# Altium PCB EVB-NORA-B20.PcbDoc (part 3 of 6) (continued)
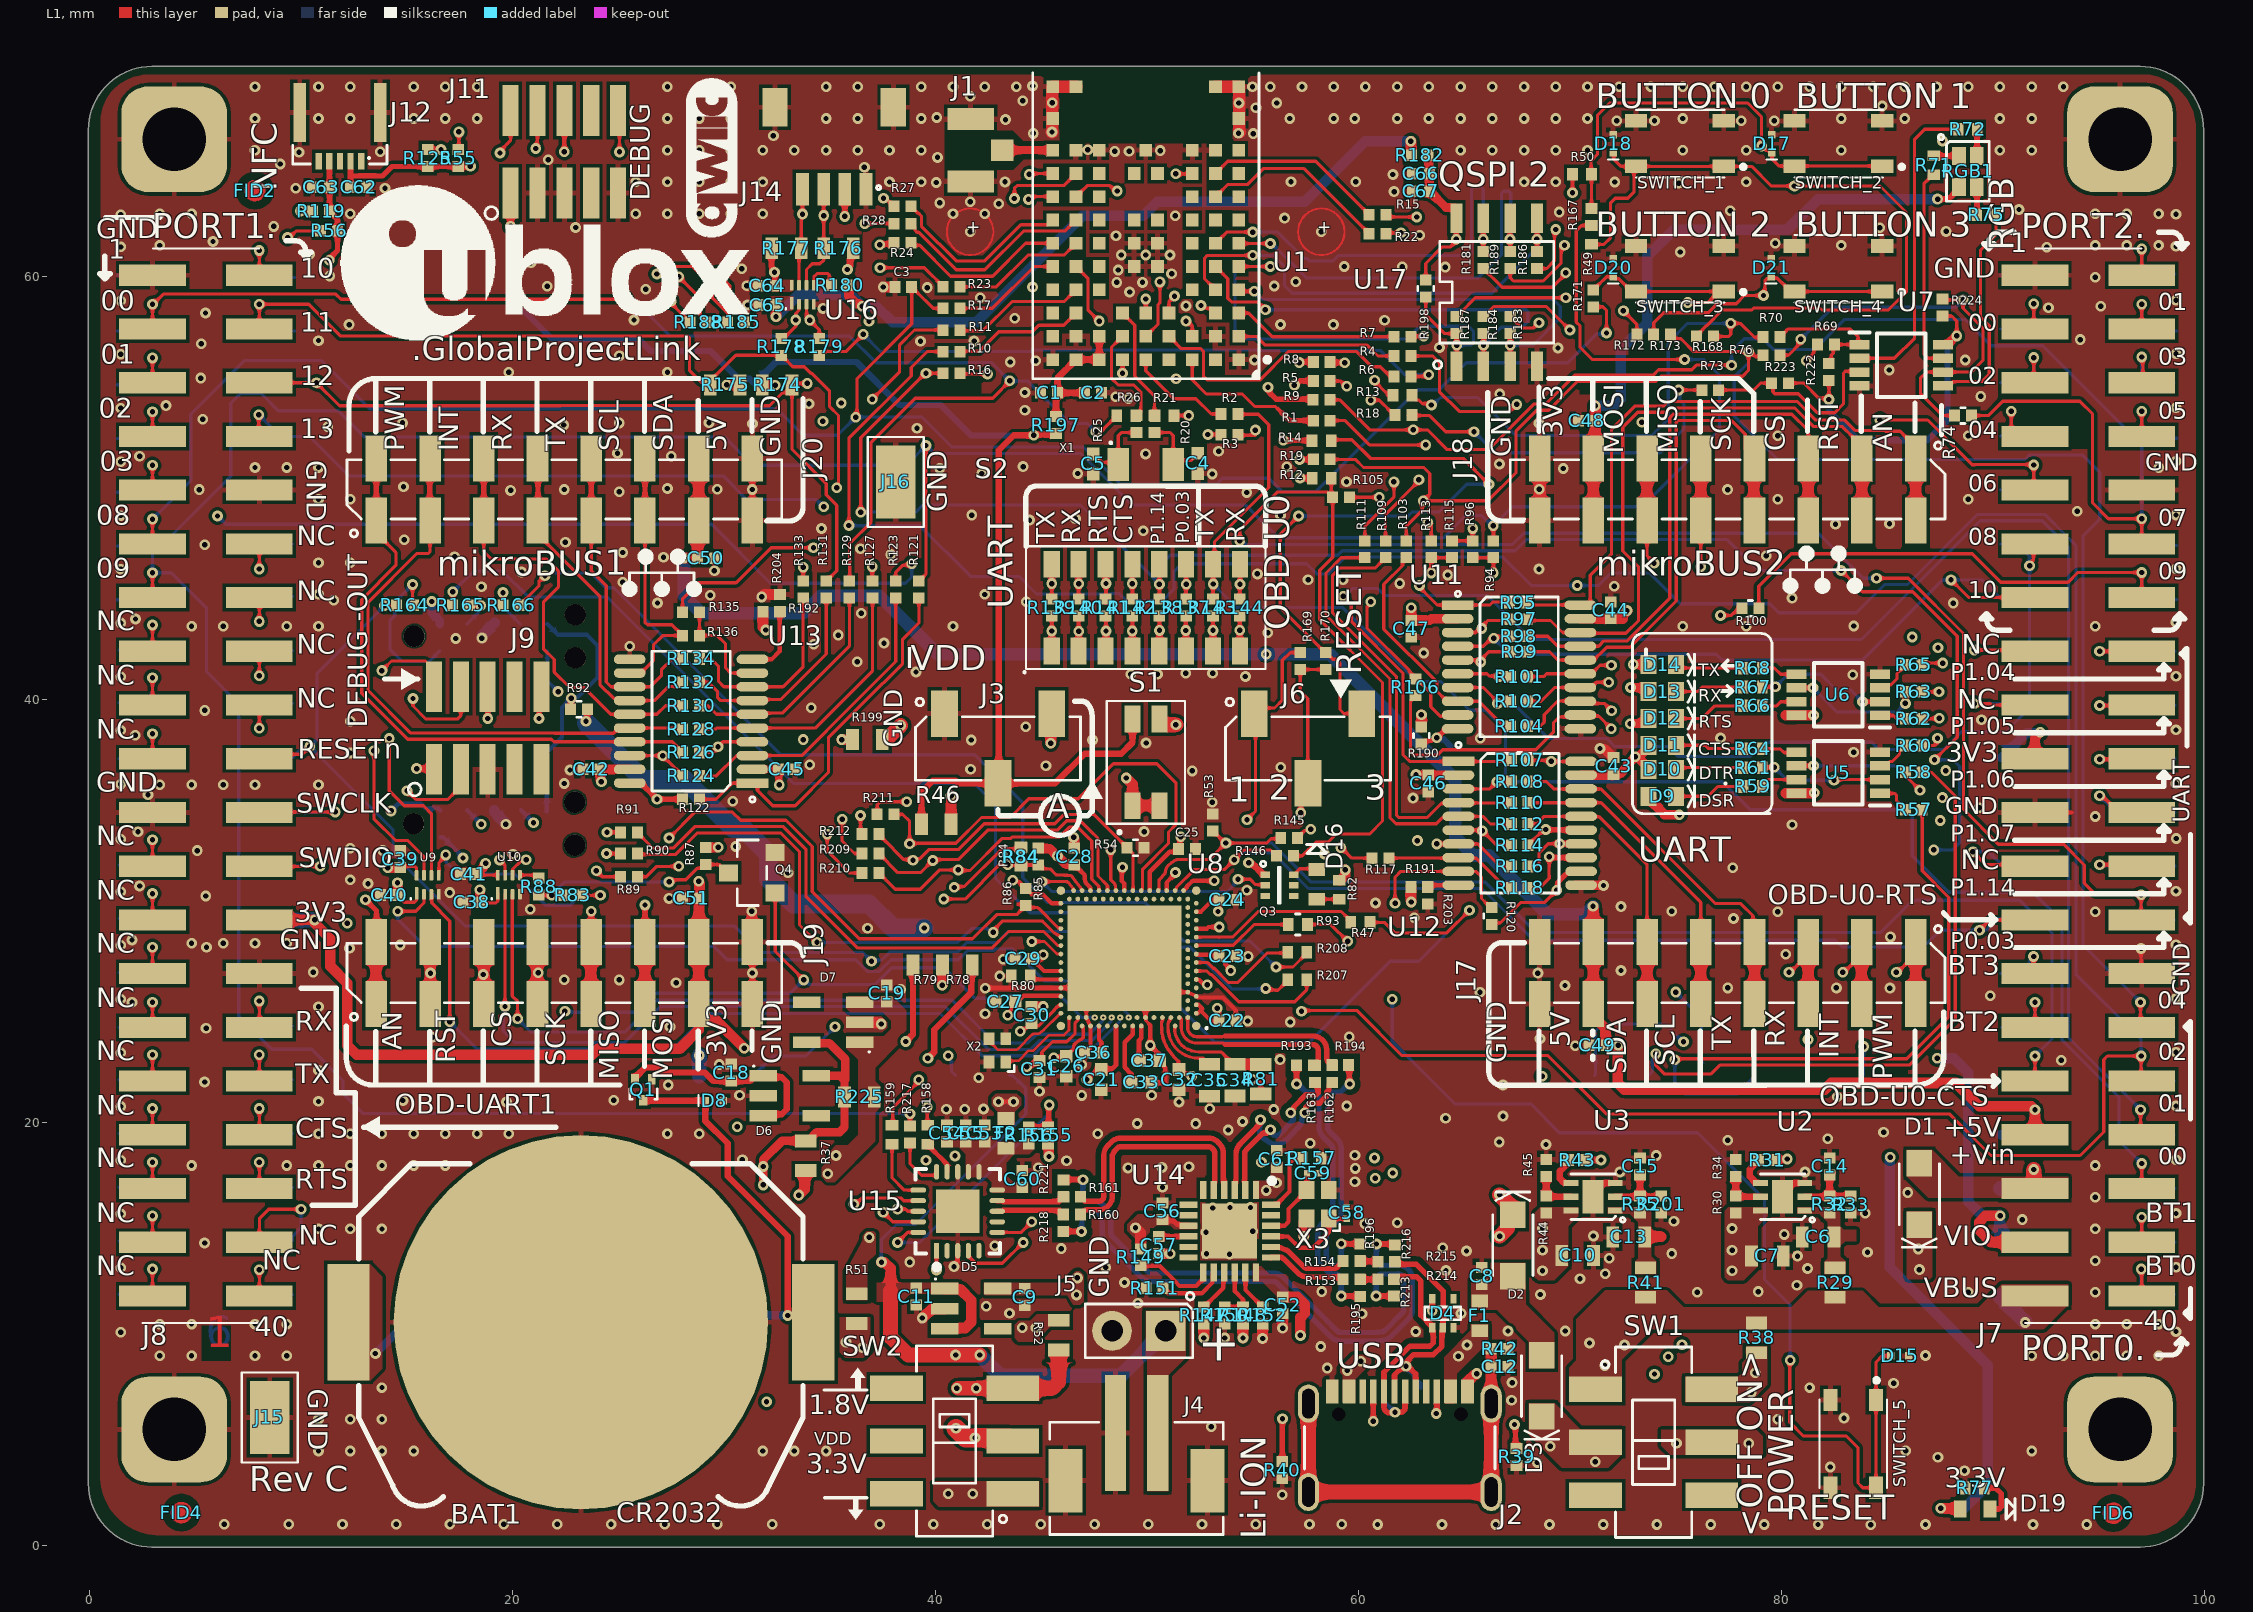
[diagram p0: L1 view]
## Nets (pads, with @x,y where several pads share a name; then routed paths per layer and width w, separated by ;. In a path a pad name is that pad's centre, name@x,y a point inside that pad or via, vN(x,y) a via of type N, cw(c..) or ccw(c..) an arc to the next point about the centre after c; other vN are vias at no path point) (continued)
  L1 w0.2: C36.2@47.098,23.307 47.298,23.506 47.298,23.628 47.323,23.654 U8.A25@47.323,24.576 ; 50.085,24.67 50.15,24.605 v1(50.15,23.658) 50.586,23.222 C37.2@50.586,22.928 ; C33.2@50.121,21.884 50.875,21.884 ; C37.2@50.524,22.866 C37.2@50.664,22.725 ; C37.2@50.689,22.75 50.704,22.75 50.854,22.6 50.854,21.905 50.875,21.884 ; 50.895,21.884 50.875,21.884
  L1 w0.225: v1(42.343,26.362) 42.357,26.376 47.123,26.376 U8.104@47.523,26.376 ; U8.B12@49.923,24.976 U8.104@49.923,26.376
  L1 w0.25: J19.8@31.336,25.616 v1(31.336,27.081) J19.8@31.336,28.546 ; J20.8@31.336,48.476 J20.8@31.336,51.406 ; v1(40.865,13.2) 40.865,13.283 41.038,13.456 41.038,13.942 U15.3@41.046,13.951
  L1 w0.3: v1@49.114,54.24 v1(49.12,54.246) ; v1(54.796,32.288) 54.835,32.248 54.974,32.248 55.5,31.722 Q3.1@55.575,31.722 ; U3.7@71.001,17.151 U3.3@72.136,17.151 ; U2.7@79.961,17.151 U2.3@81.096,17.151
  L1 w0.45: v1(31.309,30.002) 31.315,29.996 J19.8@31.315,28.466 ; C30.2@44.534,25.495 v1(45.087,25.495) ; v1(46.522,33.498) 46.555,33.465 C28.2@46.555,32.98 ; C47.2@62.481,42.966 C47.2@62.488,42.958 ; v1(62.573,35.349) v1@62.573,35.365 ; U12.11@70.249,31.221 71.573,31.221 v1(71.576,31.218) ; v1(71.413,37.694) 71.424,37.683 71.616,37.683 72.036,37.263 C43.2@72.051,37.263
  L1 w0.5: v1(31.078,59.572) C64.2@31.629,59.572 ; v1(31.104,58.663) C65.2@31.655,58.663 ; v1@31.781,44.861 31.91,44.99 R204.2@32.626,44.99 ; D7.2@36.41,24.751 36.435,24.726 37.372,24.726 37.428,24.67 v1(37.43,24.67) ; v1@37.518,59.513 37.519,59.514 C3.1@38.069,59.514 ; v1(39.37,10.77) 39.372,10.77 39.79,11.187 40.411,11.187 D5.2@40.436,11.212 ; C57.2@50.551,13.816 v1@50.992,13.816 ; v1(55.458,9.797) R152.1@55.458,10.463 ; v1(56.403,10.29) C52.2@56.403,10.956 ; v1(57.41,14.62) 57.411,15.296 X3.4@57.536,15.471 ; J2.B1A12@65.146,7.296 65.196,7.346 65.196,7.802 65.489,8.094 65.532,8.094 65.578,8.14 v1(65.58,8.14) ; J18.8@68.565,48.429 J18.8@68.565,51.18 ; C44.2@71.887,44.629 C44.2@71.945,44.629
  L1 w0.6: v1(45.504,66.84) 45.52,66.856 45.52,68.965 U1.M9@45.536,68.981 U1.M8@46.636,68.981 ; U1.M2@53.236,68.981 U1.M1@54.336,68.981 54.352,68.965 54.352,66.856 v1@54.368,66.84
  L6 w0.15: TP108.1@1.321,60.071 TP108.1@1.325,60.067 ; TP114.1@9.546,27.051 TP114.1@9.55,27.047 ; TP96.1@9.571,49.911 TP96.1@9.575,49.907 ; TP48.1@90.339,60.064 TP48.1@90.346,60.071 ; v1(96.994,28.239) 96.994,27.553 97.494,27.053 TP74.1@98.568,27.053 ; TP56.1@98.545,49.91 TP56.1@98.546,49.911 ; TP74.1@98.567,27.055 TP74.1@98.571,27.051
  L6 w0.5: v1(18.548,42.916) 18.549,42.918 18.549,43.032 J13.3@19.154,43.637 ; J10.3@19.129,34.773 19.129,34.692 19.68,34.141 19.68,34.114 v1(19.681,34.112)
  other v1: 88.643,3.548 82.293,3.726 87.388,4.186 85.864,4.496 53.036,5.625 82.946,6.037 67.231,6.875 85.291,7.689 67.256,7.713 58.518,8.399 86.802,8.994 58.205,9.418 53.667,9.822 62.696,10.129 67.062,10.152 69.771,10.152 60.155,10.971 43.49,10.99 64.843,10.987 42.388,11.328 49.563,11.46 68.593,11.883 76.013,11.981 58.258,12.018 78.893,12.017 80.72,12.323 48.928,12.446 70.463,12.624 71.66,12.857 64.13,13.015 81.226,13.111 48.045,13.158 38.771,13.412 71.849,13.594 80.749,13.695 51.085,13.801 74.804,13.813 84.061,13.878 65.097,13.934 45.94,14.05 63.976,14.094 42.793,14.183 5.437,14.317 71.1,14.646 80.123,14.722 60.286,15.232 61.83,15.277 74.905,15.342 91.381,15.422 83.947,15.723 85.959,16.698 50.724,16.949 59.823,17.209 72.351,17.669 81.105,17.669 59.844,17.842 44.853,17.873 49.098,17.864 50.698,17.882 51.975,17.919 55.403,18.133 46.191,18.209 39.545,18.229 30.863,18.247 40.916,18.432 59.823,18.463 74.075,18.451 68.859,18.974 57.708,19.027 66.646,19.093 77.454,19.173 82.18,19.24 47.67,19.484 84.819,19.552 53.833,19.656 49.53,19.964 52.292,19.961 54.508,20.061 64.111,20.21 66.827,20.314 55.982,20.625 40.51,20.644 41.373,20.644 42.266,20.65 52.957,20.662 59.435,20.792 19.708,20.983 51.507,20.983 14.813,21.054 24.787,21.067 82.623,21.226 30.732,21.304 46.907,21.294 50.211,21.304 44.909,21.492 27.357,21.785 66.827,21.787 5.437,21.927 42.034,22.124 29.774,22.75 46.911,22.741 93.216,22.952 56.286,22.987 70.246,23.643 68.577,23.969 16.213,24.042 59.553,24.058 5.507,24.469 27.442,24.543 56.762,24.766 54.759,24.813 42.338,25.152 2.001,25.697 89.865,26.002 65.735,26.17 38.355,26.301 85.118,26.367 77.446,26.376 82.588,26.376 69.753,26.489 27.729,26.62 22.446,26.766 25.042,26.754 43.037,26.934 68.474,27.076 10.577,27.123 72.405,27.199 43.191,27.732 54.772,27.866 80.188,27.965 12.286,28.254 5.529,28.292 14.685,28.404 2.001,28.641 85.142,28.787 36.783,29.202 77.721,29.656 62.629,29.69 74.804,30.005 20.828,30.099 72.405,30.22 60.794,30.389 27.397,30.607 5.497,30.72 17.03,30.882 54.716,30.992 2.362,31.191 13.165,31.307 33.015,31.818 77.69,32.059 20.015,32.69 5.092,32.866 13.864,32.868 30.548,33.059 2.286,33.757 49.856,33.765 80.493,34.093 89.343,34.896 53.079,35.155 30.404,35.205 2.761,35.509 22.439,36.042 52.133,36.634 87.761,36.649 22.71,36.676 41.652,36.715 56.312,36.809 45.214,36.882 34.046,36.924 83.402,37.512 49.951,37.956 41.685,38.098 47.421,38.098 65.745,38.173 77.112,38.188 2.156,38.316 44.262,38.725 89.448,39.051 5.447,39.495 34.119,39.624 54.645,41.099 83.356,41.183 49.228,41.206 50.491,41.206 51.826,41.251 53.096,41.251 39.069,41.313 36.288,41.794 63.077,42.21 25.536,42.532 34.242,42.62 37.558,42.678 17.312,42.896 35.401,43.058 55.703,43.165 83.414,43.485 2.171,43.819 36.484,44.095 26.849,44.575 88.111,44.569 44.279,44.634 11.542,44.709 80.493,44.806 31.779,44.861 29.338,44.944 18.524,45.34 72.085,45.37 61.947,45.5 25.204,45.549 57.61,45.676 59.257,45.676 64.214,45.895 55.214,45.949 20.425,46.034 29.54,46.101 68.529,46.177 27.132,46.734 17.256,46.757 79.268,46.803 37.872,46.863 25.204,46.961 36.449,47.141 5.447,47.327 22.496,47.446 14.87,47.559 34.601,48.098 82.546,48.292 85.098,48.315 44.436,48.493 46.611,48.561 56.303,48.718 41.705,48.73 93.97,48.915 54.706,49.799 25.047,49.834 19.904,49.898 5.187,49.935 77.443,49.936 22.446,49.941 29.669,49.948 31.332,49.94 68.536,49.95 27.317,49.986 14.841,50.071 59.424,50.306 53.083,50.675 42.177,50.697 46.715,50.698 40.197,50.932 69.678,50.933 44.136,51.023 56.597,51.015 66.655,51.147 2.362,51.511 27.495,51.509 49.926,51.622 24.959,51.658 53.379,51.752 39.12,52.835 11.263,52.908 22.414,52.988 31.34,53.052 68.531,53.07 14.793,53.089 25.042,53.089 29.284,53.097 73.391,53.114 5.347,53.264 44.221,53.69 3.609,53.907 34.015,54 48.52,54.328 89.41,54.341 66.668,54.454 44.221,54.528 51.368,55.176 5.257,55.207 85.09,55.588 43.529,55.968 44.729,56.027 55.074,56.063 88.683,56.062 25.05,56.265 69.425,56.632 63.819,56.657 5.284,56.833 39.284,56.946 41.819,56.961 94.117,57.027 12.269,57.736 58.807,57.736 56.303,57.743 25.736,57.957 61.226,57.94 43.746,58.031 5.479,58.288 34.68,58.502 92.617,58.539 51.835,58.621 95.081,58.607 42.113,59.003 49.171,59.275 26.297,59.404 39.599,59.487 37.518,59.514 44.583,59.509 21.642,59.546 56.009,59.564 48.562,59.733 49.781,59.733 57.023,59.766 11.353,60.035 51.157,60.136 12.421,60.274 48.628,60.319 30.836,60.376 64.09,60.454 62.066,60.475 59.314,60.481 15.002,60.648 25.277,60.645 20.871,60.662 48.772,61.028 49.931,61.028 51.082,61.028 10.414,61.059 75.207,61.17 92.537,61.395 79.702,61.577 5.836,61.663 48.527,61.935 62.883,61.966 41.633,62.126 58.233,62.126 87.774,62.143 22.976,62.325 84.637,62.311 8.703,62.378 56.5,62.772 51.333,62.886 69.481,63.056 77.565,63.115 91.224,63.177 42.984,63.449 40.199,63.49 41.633,63.539 61.676,64.026 9.75,64.178 13.967,64.178 75.128,64.415 40.027,64.457 43.278,64.482 56.803,64.486 59.865,64.486 72.105,64.477 61.62,64.834 36.633,65.176 9.016,65.329 21.686,65.532 40.086,65.642 9.903,65.879 13.738,65.905 48.469,65.926 49.146,65.93 50.62,65.964 47.2,66 87.605,66.421 32.331,66.667 44.619,66.776 55.013,66.768 54.318,66.789 72.203,67.369 79.655,67.369 43.304,67.429 56.74,67.48 59.814,67.48 40.053,67.53 55.143,67.99 84.752,68.075 54.34,68.216 56.131,68.216 45.515,68.228 44.117,68.318 41.633,68.529 54.983,68.976 44.583,69.02
  other v2: 29.679,1.012 60.894,1.007 63.942,1.007 66.482,1.007 69.022,1.007 71.562,1.007 74.102,1.007 76.642,1.007 79.182,1.007 81.722,1.007 84.206,1 86.802,1.007 91.882,1.007 94.422,1.007 6.367,1.019 9.415,1.019 11.955,1.019 14.495,1.019 17.035,1.019 19.575,1.019 22.115,1.019 24.655,1.019 27.195,1.019 32.275,1.019 37.355,1.019 39.895,1.019 42.435,1.019 44.975,1.019 47.515,1.019 50.055,1.019 52.595,1.019 55.135,1.019 57.675,1.019 59.199,1.019 56.389,2.41 68.443,3.936 10.82,4.481 12.32,4.481 13.82,4.481 15.32,4.481 31.82,4.481 33.32,4.481 34.82,4.481 91.82,4.481 10.82,5.981 12.32,5.981 13.82,5.981 79.82,5.981 13.82,7.481 81.32,7.481 3.32,8.981 4.82,8.981 7.82,8.981 9.32,8.981 91.82,8.981 93.32,8.981 94.82,8.981 96.32,8.981 97.82,8.981 1.47,10.101 98.645,10.126 3.32,10.481 4.82,10.481 7.82,10.481 9.32,10.481 94.82,10.481 96.32,10.481 97.82,10.481 88.82,11.981 94.82,11.981 1.47,13.149 98.645,13.174 94.82,13.481 53.896,13.784 52.803,13.809 52.778,14.825 54.988,14.876 10.82,14.981 12.32,14.981 13.82,14.981 94.82,14.981 1.47,15.689 98.645,15.714 53.108,15.968 53.921,15.994 54.886,15.994 94.82,16.481 4.82,17.981 9.32,17.981 10.82,17.981 12.32,17.981 13.82,17.981 15.32,17.981 16.82,17.981 94.82,17.981 1.47,18.229 98.645,18.254 10.82,19.481 12.32,19.481 13.82,19.481 15.32,19.481 16.82,19.481 18.32,19.481 19.82,19.481 27.32,19.481 28.82,19.481 1.47,20.769 98.645,20.794 10.82,21.008 10.82,22.481 1.47,23.309 98.645,23.334 10.82,25.481 1.47,25.849 98.645,25.874 1.47,28.389 98.645,28.414 4.82,28.481 6.32,28.481 7.82,28.481 9.32,28.481 79.82,29.981 94.82,29.981 1.47,30.929 98.645,30.954 12.32,31.481 12.32,32.981 1.477,33.413 98.652,33.438 94.82,34.481 3.32,35.981 4.82,35.981 6.32,35.981 7.82,35.981 10.82,35.981 1.47,36.009 98.645,36.034 12.32,37.481 1.47,38.549 98.645,38.574 12.32,38.981 1.47,41.089 98.645,41.114 4.82,43.481 6.32,43.481 9.32,43.481 10.82,43.481 40.82,43.481 75.32,43.481 78.32,43.481 94.82,43.481 1.47,43.629 98.645,43.654 10.82,44.981 42.32,44.981 1.47,46.169 98.645,46.194 10.82,46.481 12.32,46.481 49.82,47.981 1.47,48.709 98.645,48.734 10.82,49.481 12.32,49.481 79.82,49.481 88.82,49.481 7.82,50.981 9.32,50.981 10.82,50.981 97.82,50.981 1.47,51.249 98.645,51.274 79.82,52.481 88.82,52.481 1.47,53.789 98.645,53.814 19.82,55.481 27.32,55.481 1.47,56.329 98.645,56.354 10.82,56.981 1.47,58.869 98.645,58.894 94.82,59.981 1.47,61.409 98.645,61.434 3.32,61.481 82.82,61.481 94.82,61.481 96.32,61.481 97.82,61.481 1.47,62.933 98.645,62.958 3.32,62.981 4.82,62.981 12.32,62.981 13.82,62.981 15.32,62.981 25.82,62.981 27.32,62.981 28.82,62.981 30.32,62.981 31.82,62.981 40.82,62.981 42.32,62.981 94.82,62.981 96.32,62.981 97.82,62.981 25.82,64.481 27.32,64.481 28.82,64.481 30.32,64.481 31.82,64.481 37.82,64.481 39.32,64.481 67.82,64.481 69.32,64.481 78.32,64.481 7.82,65.981 27.32,65.981 28.82,65.981 30.32,65.981 31.82,65.981 33.32,65.981 34.82,65.981 36.32,65.981 37.82,65.981 39.32,65.981 64.82,65.981 66.32,65.981 67.82,65.981 69.32,65.981 70.82,65.981 75.32,65.981 78.32,65.981 82.82,65.981 90.32,65.981 91.82,65.981 73.986,67.369 78.088,67.369 7.82,67.481 10.82,67.481 12.32,67.481 15.32,67.481 16.82,67.481 18.32,67.481 27.32,67.481 28.82,67.481 30.32,67.481 34.82,67.481 36.32,67.481 39.32,67.481 58.82,67.481 61.82,67.481 63.32,67.481 64.82,67.481 66.32,67.481 67.82,67.481 69.32,67.481 70.82,67.481 75.32,67.481 82.82,67.481 85.82,67.481 90.32,67.481 91.82,67.481 7.82,68.981 10.82,68.981 12.32,68.981 15.32,68.981 16.82,68.981 18.32,68.981 27.32,68.981 28.82,68.981 30.32,68.981 34.82,68.981 36.32,68.981 39.32,68.981 40.82,68.981 42.32,68.981 43.82,68.981 55.82,68.981 57.32,68.981 58.82,68.981 60.32,68.981 61.82,68.981 63.32,68.981 64.82,68.981 66.32,68.981 67.82,68.981 69.32,68.981 70.82,68.981 72.32,68.981 73.82,68.981 75.32,68.981 76.82,68.981 78.32,68.981 79.82,68.981 81.32,68.981 82.82,68.981 84.32,68.981 85.82,68.981 87.32,68.981 88.82,68.981 90.32,68.981 91.82,68.981 93.32,68.981
GREEN: R72.1 U7.2 | length 14.7
  L1 w0.15: U7.2@83.679,56.142 85.327,56.142 86.284,57.099 86.284,66.497 86.759,66.972 R72.1@88.348,66.972
H2: R22.1 U1.H2 | length 9.1
  L1 w0.15: U1.H2@53.236,63.781 53.815,64.36 53.939,64.36 53.943,64.356 54.729,64.356 55.483,65.11 57.42,65.11 58.816,63.713 R22.1@60.494,62.036
H8: R19.1 U1.H8 | length 21.9
  L1 w0.15: U1.H8@46.636,63.781 47.161,64.306 48.235,64.306 48.49,64.051 v1(48.587,64.051)
  L1 w0.25: v1(57.206,51.362) 57.825,51.362 R19.1@57.859,51.396
  L4 w0.15: v1(48.587,64.051) 51.442,64.051 53.926,61.567 53.926,54.351 54.226,54.051 54.226,52.644 55.367,51.503 57.065,51.503 v1(57.206,51.362)
H9: R18.1 U1.H9 | length 24.1
  L1 w0.15: v1(44.39,63.657) 44.531,63.798 U1.H9@45.305,63.798 ; v1(60.573,54.166) 60.978,54.166 61.482,53.662 61.533,53.662 61.718,53.477 R18.1@61.718,53.426 ; U1.H9@45.305,63.798 45.305,63.781 U1.H9@45.536,63.781 45.466,63.851 45.305,63.851 U1.H9@45.305,63.798
  L3 w0.15: v1(44.39,63.657) 44.39,63.195 45.138,62.447 50.546,62.447 56.177,56.815 57.565,56.815 58.478,55.902 58.478,54.67 58.982,54.166 v1(60.573,54.166)
HUB_n: R153.1 U14.19 | length 3.8
  L1 w0.255: U14.19@55.846,13.626 55.868,13.649 56.27,13.649 cw(c56.27,13.394) 56.449,13.575 57.126,12.898 ccw(c57.591,13.366) 57.591,12.706 59.134,12.706 R153.1@59.267,12.597
HUB_p: R154.1 U14.20 | length 3.9
  L1 w0.255: U14.20@55.846,14.126 55.868,14.104 56.22,14.104 cw(c56.22,13.849) 56.313,14.086 56.512,14.008 cw(c56.27,13.394) 56.735,13.862 57.411,13.186 ccw(c57.591,13.366) 57.591,13.111 58.809,13.111 ccw(c58.807,13.366) 58.902,13.129 cw(c59.007,12.872) 58.915,13.134 ccw(c58.829,13.374) 59.008,13.193 59.267,13.452 R154.1@59.267,13.467
J2: R15.1 U1.J2 | length 8.5
  L1 w0.15: U1.J2@53.236,64.881 53.815,65.46 53.939,65.46 53.943,65.456 54.729,65.456 54.733,65.46 57.967,65.46 R15.1@60.494,62.934
J3: R14.1 U1.J3 | length 16.8
  L1 w0.15: v1@51.33,64.863 v1(51.358,64.863) 52.118,64.863 U1.J3@52.136,64.881
  L1 w0.25: v1(56.437,52.264) 56.444,52.257 57.704,52.257 R14.1@57.711,52.25
  L4 w0.15: v1(51.358,64.863) 51.395,64.827 51.395,64.522 54.226,61.691 54.226,54.475 v1(56.437,52.264)
J8: R13.1 U1.J8 | length 27.8
  L1 w0.15: v1(43.725,63.701) 43.725,64.185 43.846,64.306 46.061,64.306 U1.J8@46.636,64.881 ; v1(60.753,55.106) 60.753,55.046 R13.1@61.433,54.366
  L3 w0.15: v1(43.725,63.701) 43.725,64.185 43.87,64.33 44.678,64.33 45.559,63.449 55.311,63.449 56.021,62.739 56.021,62.253 60.753,57.521 v1(60.753,55.106)
J9: R12.1 U1.J9 | length 24.6
  L1 w0.15: v1(44.429,64.839) 44.471,64.881 U1.J9@45.536,64.881
  L1 w0.25: v1(57.229,50.484) 57.242,50.471 R12.1@57.807,50.471
  L4 w0.15: v1(44.429,64.839) 46.095,64.839 48.272,62.662 50.755,62.662 53.122,60.295 53.122,53.147 55.785,50.484 v1(57.229,50.484)
M1_AN: J18.1 R95.1 U11.20 | length 31.8
  L1 w0.15: R95.1@67.939,44.494 67.954,44.478 69.572,44.478 U11.20@70.483,44.478 ; 69.572,44.498 70.483,44.498 U11.20@70.815,44.498 ; U11.20@70.947,44.523 70.947,45.884 71.962,46.9 71.962,52.787 73.069,53.893 74.422,53.893 74.628,54.099 80.733,54.099 81.609,53.223 82.974,53.223 83.462,52.735 84.873,52.735 84.915,52.693 85.598,52.693 85.866,52.426 85.901,52.426 86.336,51.991 J18.1@86.336,51.406
  L1 w0.5: J18.1@86.336,47.686 J18.1@86.336,50.616
M1_CS: J18.3 R98.1 U11.17 | length 27.5
  L1 w0.15: R98.1@67.961,43.003 68.947,43.003 69.421,42.528 U11.17@70.483,42.528 ; U11.17@70.497,42.435 70.592,42.53 71.343,42.53 71.598,42.785 72.703,42.785 74.713,44.795 74.713,53.335 74.876,53.499 80.485,53.499 81.256,52.727 J18.3@81.256,51.406
  L1 w0.5: J18.3@81.256,47.914 J18.3@81.256,50.664
M1_INT: J17.2 R106.1 U11.12 | length 35.6
  L1 w0.15: R106.1@62.687,40.189 62.672,40.189 62.487,40.004 62.487,39.951 62.452,39.916 62.452,37.542 62.61,37.384 63.725,37.384 63.979,37.638 68.375,37.638 69.216,38.479 69.216,38.926 69.475,39.185 U11.12@70.483,39.185 ; U11.12@70.483,39.278 70.532,39.23 71.345,39.23 v1(71.945,38.63) ; v1@82.885,27.017 82.885,27.05 83.774,27.939 83.796,27.961 J17.2@83.796,28.546
  L1 w0.5: J17.2@83.774,25.507 83.774,27.939 J17.2@83.774,28.437
  L3 w0.15: v1(71.945,38.63) 72.497,38.077 74.154,38.077 83.114,29.118 83.114,27.387 82.885,27.158 v1(82.885,27.12)
M1_MISO: J18.5 R101.1 U11.15 | length 15.6
  L1 w0.15: R101.1@67.983,41.093 68.747,41.093 68.882,41.228 U11.15@70.483,41.228 ; U11.15@70.497,41.135 71.022,41.135 71.093,41.206 71.093,41.313 71.411,41.631 v1(71.951,41.631) ; v1(76.176,46.289) J18.5@76.176,48.476
  L1 w0.5: J18.5@76.176,48.476 J18.5@76.176,51.227
  L3 w0.15: v1(71.951,41.631) 71.951,42.064 v1(76.176,46.289)
M1_MOSI: J18.6 R102.1 U11.14 | length 17.6
  L1 w0.15: R102.1@67.983,39.919 68.611,39.919 69.271,40.578 70.997,40.578 71.246,40.827 v1(71.821,40.827) ; J18.6@73.633,48.764 73.633,48.476 73.633,46.801 73.963,46.471 v1(73.963,46.454)
  L1 w0.5: J18.6@73.633,48.764 J18.6@73.633,51.227
  L3 w0.15: v1(71.821,40.827) 71.344,40.827 71.145,41.025 71.145,45.532 72.067,46.454 v1(73.963,46.454)
M1_PWM: J17.1 R104.1 U11.13 | length 28.3
  L1 w0.15: R104.1@67.955,38.743 68.577,38.743 68.775,38.941 68.775,39.296 69.424,39.945 U11.13@70.437,39.945 ; U11.13@70.483,39.928 71.089,39.928 71.192,39.825 71.617,39.825 v1(71.959,39.483) ; v1@85.425,27.017 85.425,27.05 86.336,27.961 J17.1@86.336,28.546
  L1 w0.5: J17.1@86.336,25.592 J17.1@86.336,25.616 J17.1@86.336,27.961
  L3 w0.15: v1(71.959,39.483) 74.148,39.483 84.044,29.587 84.044,28.501 v1(85.425,27.12)
M1_RST: J18.2 R97.1 U11.18 | length 31
  L1 w0.15: R97.1@67.961,43.745 69.073,43.745 69.64,43.178 71.05,43.178 71.086,43.142 72.636,43.142 73.23,43.736 73.23,46.29 72.487,47.033 72.487,52.887 73.193,53.593 74.546,53.593 74.752,53.799 80.609,53.799 81.485,52.923 82.85,52.923 83.347,52.426 83.361,52.426 83.796,51.991 J18.2@83.796,51.406
  L1 w0.5: J18.2@83.796,47.914 J18.2@83.796,50.664
M1_RX: J17.3 R107.1 U12.20 | length 22.8
  L1 w0.15: v1@80.345,27.017 80.345,27.05 81.256,27.961 J17.3@81.256,28.546
  L1 w0.153: R107.1@68.018,37.138 69.048,37.138 v1(69.101,37.084) U12.20@70.518,37.084
  L1 w0.5: J17.3@81.256,25.592 J17.3@81.256,25.616 81.256,27.961 J17.3@81.256,28.522
  L3 w0.153: v1(69.101,37.084) 69.101,37.028 79.009,27.12 v1(80.345,27.12)
M1_SCK: J18.4 R99.1 U11.16 | length 24.5
  L1 w0.15: R99.1@67.983,42.267 69.024,42.267 69.413,41.878 U11.16@70.483,41.878 ; U11.16@70.497,41.785 71.022,41.785 71.722,42.485 72.827,42.485 75.013,44.67 75.013,53.111 75.101,53.199 77.633,53.199 78.281,52.55 78.281,51.841 J18.4@78.716,51.406
  L1 w0.5: J18.4@78.681,48.21 J18.4@78.681,50.96
M1_SCL: J17.5 R110.1 U12.17 | length 14.9
  L1 w0.153: R110.1@68.018,35.129 70.513,35.129 U12.17@70.518,35.134 71.461,35.134 76.176,30.419 J17.5@76.176,28.546
  L1 w0.5: J17.5@76.165,25.483 J17.5@76.165,28.413
M1_SDA: J17.6 R112.1 U12.16 | length 13.3
  L1 w0.15: R112.1@68.018,34.125 68.02,34.126 68.415,34.126 68.773,34.484 U12.16@70.518,34.484 70.531,34.471 71.367,34.471 73.636,32.202 J17.6@73.636,28.546
  L1 w0.5: J17.6@73.636,25.592 J17.6@73.636,28.522
M1_TX: J17.4 R108.1 U12.18 | length 17.5
  L1 w0.15: J17.4@78.716,27.961 J17.4@78.716,28.546
  L1 w0.153: R108.1@68.018,36.133 68.866,36.133 69.216,35.784 U12.18@70.518,35.784 71.448,35.784 76.872,30.36 78.066,30.36 78.645,29.781 78.645,28.617 J17.4@78.716,28.546
  L1 w0.5: J17.4@78.716,25.592 J17.4@78.716,25.616 J17.4@78.716,27.961
M2_AN: J19.1 R114.1 U12.15 | length 77.8
  L1 w0.15: R114.1@68.018,33.12 68.018,33.135 68.747,33.864 v1(68.843,33.864)
  L1 w0.25: v1(13.046,30.544) 13.568,30.022 13.568,28.558 J19.1@13.535,28.525 ; v1(68.843,33.864) 68.858,33.849 70.522,33.849 U12.15@70.543,33.828
  L1 w0.5: J19.1@13.535,25.348 J19.1@13.535,28.278
  L4 w0.15: v1(13.046,30.544) 16.607,30.544 18.711,28.44 27.005,28.44 35.05,36.485 35.05,38.287 37.613,40.85 38.855,40.85 39.085,40.62 58.167,40.62 58.187,40.6 58.248,40.6 61.277,37.57 61.277,32.823 61.684,32.416 65.702,32.416 66.637,33.351 68.33,33.351 v1(68.843,33.864)
M2_CS: J19.3 R118.1 U12.13 | length 73.1
  L1 w0.15: R118.1@68.018,31.112 68.565,31.112 69.013,31.56 69.013,31.677 69.005,31.685 69.005,32.082 69.013,32.09 v1(69.013,32.572)
  L1 w0.25: v1(18.612,27.01) v1@18.636,27.034 ; J19.3@18.636,25.616 v1@18.636,27.034 ; J19.3@18.636,28.546 v1@18.636,27.034 ; v1(69.013,32.572) 69.051,32.534 U12.13@70.518,32.534
  L1 w0.5: J19.3@18.636,25.569 J19.3@18.636,28.499
  L4 w0.15: v1(18.612,27.01) 19.381,27.779 27.192,27.779 36.335,36.921 36.335,38.703 37.882,40.25 38.606,40.25 38.836,40.02 57.919,40.02 57.939,40 57.999,40 60.677,37.322 60.677,32.575 61.436,31.816 68.17,31.816 68.925,32.572 v1(69.013,32.572)
M2_INT: J20.2 R128.1 U13.16 | length 29.2
  L1 w0.15: J20.2@16.096,48.476 16.096,47 16.008,46.912 15.466,46.912 13.165,44.611 13.165,40.435 15.166,38.434 21.959,38.434 21.977,38.415 24.774,38.415 25.019,38.661 U13.16@25.536,38.661 R128.1@27.987,38.661
  L1 w0.25: J20.2@16.009,52.191 16.009,51.493 J20.2@16.081,51.421 ; J20.2@16.081,48.552 J20.2@16.081,51.421 ; J20.2@16.081,51.482 J20.2@16.081,51.421 ; J20.2@16.096,51.406 J20.2@16.081,51.421 ; R128.1@27.987,38.661 R128.1@28.036,38.612
M2_MISO: J19.5 R122.1 U13.20 | length 14.9
  L1 w0.25: J19.5@23.716,28.588 v1(23.716,30.002) ; U13.20@25.011,36.061 U13.20@25.536,36.061 26.061,36.061 v1(26.826,35.296) R122.1@28.036,35.296
  L1 w0.5: J19.5@23.695,25.482 J19.5@23.695,28.412
  L3 w0.15: v1(23.716,30.002) 24.784,30.002 25.425,30.643 25.425,33.894 v1(26.826,35.296)
M2_MOSI: J19.6 R124.1 U13.18 | length 15.2
  L1 w0.15: U13.18@25.536,37.361 25.539,37.358 v1(27.095,37.358) 28.036,36.416 R124.1@28.036,36.401
  L1 w0.25: J19.6@26.256,28.546 v1(26.256,30.296)
  L1 w0.5: J19.6@26.256,25.616 J19.6@26.256,28.179
  L3 w0.15: v1(26.256,30.296) 26.256,33.386 27.776,34.906 27.776,36.62 27.095,37.302 v1(27.095,37.358)
M2_PWM: J20.1 R126.1 U13.17 | length 28.7
  L1 w0.15: J20.1@13.556,48.476 13.556,47.891 14.482,46.965 14.482,46.352 12.865,44.735 12.865,40.31 15.042,38.134 21.835,38.134 21.958,38.011 U13.17@25.536,38.011 27.547,38.011 28.036,37.522 R126.1@28.036,37.507
  L1 w0.25: J20.1@13.556,48.476 J20.1@13.556,51.406 13.556,51.454 J20.1@13.556,51.643
M2_RST: J19.2 R116.1 U12.14 | length 75.9
  L1 w0.15: R116.1@68.018,32.116 68.378,32.116 68.529,32.268 68.529,32.642 68.534,32.647 68.534,32.77 68.958,33.194 v1(69.503,33.194)
  L1 w0.25: J19.2@16.096,25.616 v1@16.096,27.097 ; J19.2@16.096,28.546 16.116,28.526 16.116,27.117 v1@16.096,27.097 ; v1(16.116,27.077) v1@16.096,27.097 ; v1(69.503,33.194) 69.508,33.189 70.513,33.189 U12.14@70.518,33.184
  L1 w0.5: J19.2@16.096,25.563 16.096,27.097 J19.2@16.096,28.493
  L4 w0.15: v1(16.116,27.077) 17.15,28.11 27.1,28.11 36.035,37.045 36.035,38.835 37.75,40.55 38.73,40.55 38.96,40.32 58.043,40.32 58.063,40.3 58.123,40.3 60.977,37.446 60.977,32.699 61.56,32.116 65.827,32.116 66.761,33.051 69.263,33.051 69.406,33.194 v1(69.503,33.194)
M2_RX: J20.3 R130.1 U13.15 | length 24.3
  L1 w0.15: R130.1@28.036,39.718 27.229,39.718 26.822,39.311 U13.15@25.536,39.311 24.634,39.311 23.364,40.581 22.69,40.581 21.966,41.305 21.966,41.902 21.454,42.414 21.454,44.617 22.163,45.325 22.163,46.097 21.605,46.654 18.99,46.654 18.636,47.008 J20.3@18.636,48.476 18.636,51.315 J20.3@18.636,51.406 ; J20.3@18.636,51.406 18.636,51.739 J20.3@18.636,51.406
  L1 w0.25: J20.3@18.636,48.476 J20.3@18.636,51.406
M2_SCK: J19.4 R120.1 U12.12 | length 72.2
  L1 w0.15: R120.1@66.297,29.376 66.371,29.45 66.709,29.45 67.677,30.419 68.799,30.419 v1(69.367,30.987)
  L1 w0.25: J19.4@21.176,25.616 v1@21.176,27.123 ; J19.4@21.176,28.546 v1@21.176,27.123 ; v1(21.207,27.092) v1@21.176,27.123 ; v1(69.367,30.987) 69.416,31.036 69.416,31.364 69.786,31.734 69.789,31.734 69.939,31.884 U12.12@70.518,31.884
  L1 w0.5: J19.4@21.151,25.515 J19.4@21.151,28.445
  L4 w0.15: v1(21.207,27.092) 21.594,27.479 27.317,27.479 36.635,36.797 36.635,38.579 38.006,39.95 38.482,39.95 38.712,39.72 57.623,39.72 60.377,36.965 60.377,32.45 61.312,31.516 68.837,31.516 v1(69.367,30.987)
M2_SCL: J20.5 R134.1 U13.13 | length 15.3
  L1 w0.15: J20.5@23.716,48.476 23.716,46.106 24.424,45.398 24.424,40.838 24.651,40.611 U13.13@25.536,40.611 26.511,40.611 27.031,41.13 27.031,41.409 27.551,41.929 R134.1@28.036,41.929
  L1 w0.25: J20.5@23.716,48.476 J20.5@23.716,51.406
M2_SDA: J20.6 R136.1 U13.12 | length 15.9
  L1 w0.15: U13.12@26.061,41.261 26.653,41.852 26.653,42.59 27.097,43.034 R136.1@28.036,43.034 28.036,43.049 27.851,43.234 27.836,43.234 27.524,43.546 26.377,43.546 26.256,43.667 J20.6@26.256,51.406
  L1 w0.25: J20.6@26.256,48.769 J20.6@26.256,51.699
M2_TX: J20.4 R132.1 U13.14 | length 16.6
  L1 w0.15: J20.4@21.163,47.853 21.214,47.853 21.611,47.456 21.611,47.405 24.124,44.892 24.124,40.714 24.776,40.061 24.829,40.061 24.93,39.961 U13.14@25.536,39.961 26.694,39.961 27.357,40.623 27.851,40.623 28.036,40.808 R132.1@28.036,40.823
  L1 w0.25: J20.4@21.151,51.431 J20.4@21.176,51.406 ; J20.4@21.163,47.853 J20.4@21.163,48.497 ; J20.4@21.197,48.497 21.197,51.315 J20.4@21.197,51.406
NEEDLE_5V: J10.5 J13.5 R92.1 | length 12.3
  L1 w0.2: R92.1@22.739,39.548 22.757,39.565 22.757,40.054 v1(22.774,40.072)
  L6 w0.2: J10.5@21.615,34.714 21.615,37.501 22.339,38.226 22.339,39.637 v1(22.774,40.072) 22.832,40.129 23.094,40.129 24.008,41.043 24.008,42.572 23.512,43.068 22.151,43.068 J13.5@21.64,43.578
NetBAT1_1: BAT1.1 D8.1 Q1.3 | length 36.3
  L1 w0.3: Q1.3@26.186,21.048 D8.1@29.114,21.048 29.114,20.082 30.165,19.031 30.165,17.476 33.013,14.628 v1(33.013,10.888) BAT1.1@34.389,10.888
  L6 w0.4: v1(13.513,9.093) 15.308,10.888 v1(33.013,10.888)
NetC1_1: C1.1 C2.1 R197.1 U1.A7 U1.A8 U1.B7 | length 6.5
  L1 w0.3: R197.1@45.69,53.384 45.69,54.434 C1.1@45.764,54.508 ; U1.A8@46.636,56.081 45.764,55.209 C1.1@45.764,54.508 ; U1.A8@46.66,56.08 46.661,56.081 U1.A7@47.736,56.081 U1.B7@47.736,57.181 ; C2.1@47.047,54.508 C1.1@45.764,54.508
NetC6_1: C6.1 R29.2 R32.2 U2.1
NetC9_1: C9.1 D1.C D3.C D5.5 SW1.2 | length 0
  L1 w0.5: C9.1@44.219,12.162 C9.1@44.221,12.16
  other v1: 46.66,11.862 46.704,12.663 86.512,13.058 86.46,14.029
  other v2: 71.183,3.969 69.063,4.702
NetC13_1: C13.1 R35.2 R41.2 U3.1 | length 0.8
  L1 w0.15: C13.1@73.521,14.601 C13.1@73.536,14.616
  L1 w0.5: C13.1@73.536,14.616 74.301,14.616
NetC14_1: C14.1 R32.1 R33.2 U2.2 | length 3.3
  L1 w0.3: U2.2@81.096,16.501 82.231,16.501 R32.1@82.267,16.537 ; C14.1@82.421,17.607 82.269,17.456 82.269,16.539 R32.1@82.267,16.537 ; R33.2@83.276,16.529 R33.2@83.261,16.529 83.257,16.533 82.271,16.533 R32.1@82.267,16.537
NetC15_2: C15.2 R35.1 R201.2 U3.2 | length 3.1
  L1 w0.3: U3.2@72.136,16.501 R201.2@74.301,16.501 ; R35.1@73.305,16.537 C15.2@73.305,17.457
NetC18_1: C18.1 D6.1 D6.3 Q1.2 | length 10.5
  L1 w0.3: Q1.2@25.786,22.064 25.786,22.134 26.266,22.614 26.891,22.614 27.132,22.372 29.096,22.372 29.494,21.974 C18.1@30.332,21.974 31.223,21.974 31.476,22.227 D6.1@31.851,22.227 31.926,22.152 32.726,22.152 32.96,21.918 32.96,20.636 32.726,20.402 31.926,20.402 D6.3@31.851,20.327
NetC19_1: C19.1 D7.1 D7.3 R51.1 R52.1 R225.2
  other v1: 36.547,9.359 35.763,9.627 44.094,10.304 44.744,10.312 34.9,17.594 35.29,18.451